# Altium PCB Arm.PcbDoc (part 1 of 2) (continued)
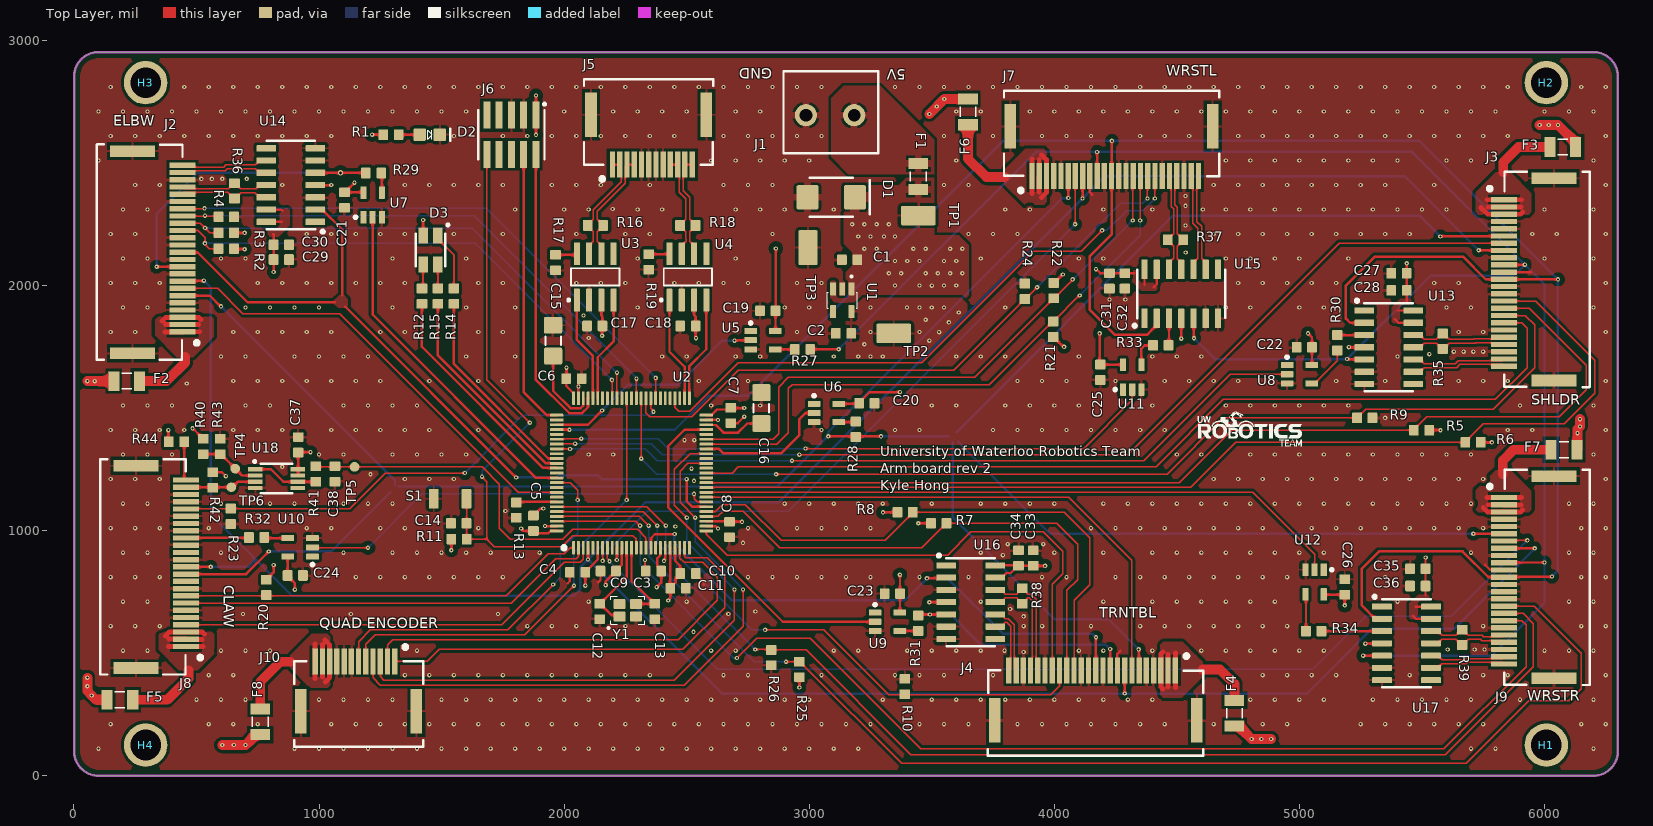
[diagram p0: Top Layer view]
## Footprints (in the part's own frame and the unit in brackets; to place one, negate y for a bottom-side part, rotate by r counter-clockwise, add the part's x,y. Pads: shape width x height; smd on the part's side, far side on the other; paste and mask are expansions set on the pad)
1935161 [mm] "TERM BLK 2POS SIDE ENTRY 5MM PCB"
  round 2.3 hole 1.325: 1(-2.5,0) 2(2.5,0)
  silkscreen extent -5.01,-4.57 4.83,3.94, body extent -5.01,-5.06 5.39,3.94, height 11.41
B3U-1000P [mm] "TACTILE SWITCH GREY"
  rrect15% 1x2 smd: 1(-1.7,0) 2(1.7,0)
  body extent -2,-1.25 2,1.25, height 1.6
CAP0603 [mm]
  rrect20% 1x1.1 smd: 1(-0.8,0) 2(0.8,0)
  body extent -0.87,-0.48 0.88,0.48, height 0.87
CAP1206 [mm] "Chip Capacitor, Body 3.2x1.6mm, Height 0.55mm, IPC Medium Density"
  rrect20% 1.75x1.9 smd: 1(-1.6,0) 2(1.6,0)
  silkscreen extent -0.45,-0.8 0.45,0.8, body extent -1.7,-0.9 1.7,0.9, height 0.88
FTSH-105-01-F-DV-K-P-TR [mil] "Samtec programming header 10 positions"
  rect 29x110 smd mask+2: 1(-100,-80) 2(-100,80) 3(-50,-80) 4(-50,80) 5(0,-80) 6(0,80) 7(50,-80) 8(50,80) 9(100,-80) 10(100,80)
  silkscreen extent -140,-130 135,100, body extent -125,-115 125,175, height 276
FUSE_1206 [mil]
  rect 45x80 smd mask+1: 1(-52.5,0) 2(52.5,0)
  silkscreen extent -20,-32 20,32, body extent -65,-32 65,32, height 32
INA332AIDGKR [mm] "Instrumentation amplifier, 8-VSSOP"
  rrect15% 0.45x1.5 smd mask+0.05: 1(-0.975,-2.2) 2(-0.325,-2.2) 3(0.325,-2.2) 4(0.975,-2.2) 5(0.975,2.2) 6(0.325,2.2) 7(-0.325,2.2) 8(-0.975,2.2)
  silkscreen extent -1.9,-2.41 1.52,1.6, body extent -1.55,-2.52 1.55,2.52, height 1.15
LED_0805_GREEN [mm] "SMD, 2-Leads, Body 2x1.25mm"
  rrect20% 1.3x1.3 smd: 1(-1.05,0) 2(1.05,0)
  silkscreen extent -0.2,-0.64 2.11,0.64, body extent -1,-0.62 1,0.63, height 1.12
LED_RGB [mm]
  rrect20% 1x1.7 smd: 1(-0.75,-1.5) 2(-0.75,1.5) 3(0.75,1.5) 4(0.75,-1.5)
  silkscreen extent -1.92,-2.72 1.53,1.7, body extent -1.4,-1.75 1.4,1.75, height 1.89
LT-S8_N [mm] "SOP, 8-Leads, Body 4.9x3.9mm, Pitch 1.27mm, IPC Medium Density"
  rrect20% 2.375x0.625 smd: 1(-2.4,1.905) 2(-2.4,0.635) 3(-2.4,-0.635) 4(-2.4,-1.905) 5(2.4,-1.905) 6(2.4,-0.635) 7(2.4,0.635) 8(2.4,1.905)
  silkscreen extent -2.52,-2.5 0.9,2.88, body extent -2.91,-2.4 2.87,2.5, height 1.45
MAX3491CSD+T [mil] "RS-422/485 Transceiver footprint (14-SOIC)"
  rrect15% 80x25 smd: 1(-100,150) 2(-100,100) 3(-100,50) 4(-100,0) 5(-100,-50) 6(-100,-100) 7(-100,-150) 8(100,-150) 9(100,-100) 10(100,-50) 11(100,0) 12(100,50) 13(100,100) 14(100,150)
  silkscreen extent -135,-180 98,195, body extent -120,-173 117,173, height 67
MOLEX-5031481290 [mm] "Molex 5024940670 12 pin 1.5 mm pitch SMD RA connector"
  rect 1.2x4.65 smd: 0(-5.98,-2.587) 0(5.98,-2.587)
  rect 0.55x2.7 smd: 1(3.75,2.588) 2(3,2.588) 3(2.25,2.588) 4(1.5,2.588) 5(0.75,2.588) 6(0,2.588) 7(-0.75,2.588) 8(-1.5,2.588) 9(-2.25,2.588) 10(-3,2.588) 11(-3.75,2.588) 12(-4.5,2.588)
  silkscreen extent -6.68,-6.28 6.7,4.26, body extent -6.65,-6.15 6.65,3.4, height 9.21
MOLEX-5031482490 [mm] "Molex 5031482490 24 pin 1.5 mm pitch SMD RA connector"
  rect 1.2x4.65 smd mask+0.05: 0(-10.48,-2.588) 0(10.48,-2.588)
  rect 0.55x2.7 smd mask+0.05: 1(8.25,2.588) 2(7.5,2.588) 3(6.75,2.588) 4(6,2.588) 5(5.25,2.588) 6(4.5,2.588) 7(3.75,2.588) 8(3,2.588) 9(2.25,2.588) 10(1.5,2.588) 11(0.75,2.588) 12(0,2.588) 13(-0.75,2.588) 14(-1.5,2.588) 15(-2.25,2.588) 16(-3,2.588) 17(-3.75,2.588) 18(-4.5,2.588) 19(-5.25,2.588) 20(-6,2.588) 21(-6.75,2.588) 22(-7.5,2.588) 23(-8.25,2.588) 24(-9,2.588)
  silkscreen extent -11.18,-6.28 11.15,4.26, body extent -11.15,-6.28 11.15,3.27, height 9.21
MOUNTING_HOLE_3mm#1 [mm] "3mm Hole"
  round 4.5 hole 3.2 mask+0.3: 0(-52.411,8.068)
MOUNTING_HOLE_3mm#2 [mm] "3mm Hole"
  round 4.5 hole 3.2 mask+0.3: 0(-57.411,11.718)
MOUNTING_HOLE_3mm#3 [mm] "3mm Hole"
  round 4.5 hole 3.2 mask+0.3: 0(0.011,-0.007)
MOUNTING_HOLE_3mm#4 [mm] "3mm Hole"
  round 4.5 hole 3.2 mask+0.3: 0(-6.026,-3.79)
RESC0603 [mm] "Chip Resistor, Body 1.6x0.8mm, IPC Medium Density"
  rrect15% 1x1.1 smd: 1(0,0) 2(1.6,0)
  body extent 0,-0.4 1.6,0.4, height 0.46
S1751-46R [mm] "SMD LOOP TESTPOINT"
  rrect15% 3.6x2 smd: 1(0,0)
  body extent -1.63,-0.85 1.62,0.8, height 2.01
SMBJ5.0A [mm] "9.2V Clamp 65.3A Ipp Tvs Diode Surface Mount SMB (DO-214AA)"
  rrect15% 2.3x2.5 smd: 1(-2.45,0) 2(2.45,0)
  silkscreen extent -4,-2.03 2.25,2.03, body extent -2.7,-1.8 2.7,1.8, height 2.27
SN74LV1T34DBVR [mm] "SOT-23-5, Unidirectional level shifter"
  rrect15% 1.3x0.63 smd mask+0.05: 1(-1.279,0.95) 2(-1.279,0) 3(-1.279,-0.95) 4(1.279,-0.95) 5(1.279,0.95)
  silkscreen extent -1.42,1.64 -1.14,1.92, body extent -1.4,-1.45 1.4,1.45, height 1.2
SOIC254P1016X440-4N [mm]
  rrect15% 1.25x1 smd: 1(-0.85,-0.65) 2(0.85,-0.65) 3(0.85,0.65) 4(-0.85,0.65)
  silkscreen extent -2.11,-1.93 1.75,1.47, body extent -1.24,-0.85 1.24,0.85, height 0.56
SOT95P285X140-5N [mm] "AP2112K-3.3TRG1 LDO"
  rrect15% 1.35x0.6 smd: 1(-1.185,0.95) 2(-1.185,0) 3(-1.185,-0.95) 4(1.185,-0.95) 5(1.185,0.95)
  silkscreen extent -2.57,-1.55 0.85,1.55, body extent -1.4,-1.5 1.4,1.5, height 1.4
STM32F446VET6 [mm] "LQFP100"
  rrect50% 1.4x0.3 smd mask+0.051: 1(-7.75,6) 2(-7.75,5.5) 3(-7.75,5) 4(-7.75,4.5) 5(-7.75,4) 6(-7.75,3.5) 7(-7.75,3) 8(-7.75,2.5) 9(-7.75,2) 10(-7.75,1.5) 11(-7.75,1) 12(-7.75,0.5) 13(-7.75,0) 14(-7.75,-0.5) 15(-7.75,-1) 16(-7.75,-1.5) 17(-7.75,-2) 18(-7.75,-2.5) 19(-7.75,-3) 20(-7.75,-3.5) 21(-7.75,-4) 22(-7.75,-4.5) 23(-7.75,-5) 24(-7.75,-5.5) 25(-7.75,-6) 51(7.75,-6) 52(7.75,-5.5) 53(7.75,-5) 54(7.75,-4.5) 55(7.75,-4) 56(7.75,-3.5) 57(7.75,-3) 58(7.75,-2.5) 59(7.75,-2) 60(7.75,-1.5) 61(7.75,-1) 62(7.75,-0.5) 63(7.75,0) 64(7.75,0.5) 65(7.75,1) 66(7.75,1.5) 67(7.75,2) 68(7.75,2.5) 69(7.75,3) 70(7.75,3.5) 71(7.75,4) 72(7.75,4.5) 73(7.75,5) 74(7.75,5.5) 75(7.75,6)
  rrect50% 0.3x1.4 smd mask+0.051: 26(-6,-7.75) 27(-5.5,-7.75) 28(-5,-7.75) 29(-4.5,-7.75) 30(-4,-7.75) 31(-3.5,-7.75) 32(-3,-7.75) 33(-2.5,-7.75) 34(-2,-7.75) 35(-1.5,-7.75) 36(-1,-7.75) 37(-0.5,-7.75) 38(0,-7.75) 39(0.5,-7.75) 40(1,-7.75) 41(1.5,-7.75) 42(2,-7.75) 43(2.5,-7.75) 44(3,-7.75) 45(3.5,-7.75) 46(4,-7.75) 47(4.5,-7.75) 48(5,-7.75) 49(5.5,-7.75) 50(6,-7.75) 76(6,7.75) 77(5.5,7.75) 78(5,7.75) 79(4.5,7.75) 80(4,7.75) 81(3.5,7.75) 82(3,7.75) 83(2.5,7.75) 84(2,7.75) 85(1.5,7.75) 86(1,7.75) 87(0.5,7.75) 88(0,7.75) 89(-0.5,7.75) 90(-1,7.75) 91(-1.5,7.75) 92(-2,7.75) 93(-2.5,7.75) 94(-3,7.75) 95(-3.5,7.75) 96(-4,7.75) 97(-4.5,7.75) 98(-5,7.75) 99(-5.5,7.75) 100(-6,7.75)
  silkscreen extent -7.88,6.87 -7.62,7.13, body extent -8,-8 8,8, height 1.6
TESTPOINT_CIRCLE_1MM [mm]
  round 1 smd: 1(0,0)

## Part data
C1 C2 C11 C14 C27 C29 C31 C33 C35: "CAP CER 1UF 25V X5R 0603", Manufacturer 1=Samsung, Manufacturer Part Number 1=CL10A105KA8NNNC, Package/Footprint=0603, Supplier Part Number 1=1276-1102-1-ND, Mounting Type=SMD, Supplier 1=Digi-Key
C3 C4 C5 C6 C7 C8 C9 C10 C17 C18 C19 C20 C21 C22 C23 C24 C25 C26 C28 C30 C32 C34 C36 C37 C38: "CAP CER 0.1UF 50V X7R 0603", Dielectric=X7R, Manufacturer 1=Yageo, Manufacturer Part Number 1=CC0603KRX7R9BB104, Package/Footprint=0603, Supplier Part Number 1=311-1344-1-ND, Voltage Rating=50V, Mounting Type=SMD, Supplier 1=Digi-Key
C12 C13: "CAP CER 14PF 50V C0G/NP0 0603", Dielectric=C0G, Manufacturer 1=Samsung, Manufacturer Part Number 1=CL10C140JB8NNNC, Package/Footprint=0603, Supplier Part Number 1=1276-2187-1-ND, Voltage Rating=50V, Mounting Type=SMD, Supplier 1=Digi-Key
C15 C16: "CAP CER 4.7UF 50V X7R 1206", Dielectric=X7R, Manufacturer 1=Murata, Manufacturer Part Number 1=GRM31CR71H475KA12L, Package/Footprint=1206, Supplier Part Number 1=490-6521-1-ND, Mounting Type=SMD, Supplier 1=Digi-Key
D1: "TVS DIODE 5V 9.2V SMB", Manufacturer 1=Bourns, Manufacturer Part Number 1=SMBJ5.0A, Package/Footprint=SMB, Supplier Part Number 1=SMBJ5.0ABCT-ND, Mounting Type=SMD, Supplier 1=Digi-Key
D2: "LED GREEN DIFFUSED 0805 SMD", Forward Voltage Drop=2.2V, Manufacturer 1=OSRAM, Manufacturer Part Number 1="LG R971-KN-1", Package/Footprint=0805, Supplier Part Number 1=475-1410-1-ND, Mounting Type=SMD, Supplier 1=Digi-Key
D3: "LED RGB DIFFUSED 4PLCC SMD", Color=Blue,Green,Red, Forward Voltage=3.1V, Lens Color=White, Manufacturer 1=Broadcom, Manufacturer Part Number 1=ASMB-MTB1-0A3A2, Package/Footprint=4-PLCC, Supplier Part Number 1=516-3280-1-ND, Test Current=20mA, Dominant Wavelength=470nm, Lens Style=Round, Lens Transparency=Diffused, Luminous Intensity=350mcd, Mounting Type=SMD, Number of Pins=4, Supplier 1=Digi-Key, Viewing Angle=115¡Æ
F1: "FUSE BOARD MNT 3A 32VAC/VDC 1206", Current Rating=3A, Manufacturer 1=Littelfuse, Manufacturer Part Number 1=0466003.NR, Package/Footprint=1206, Supplier Part Number 1=F1458CT-ND, Mounting Type=SMD, Supplier 1=Digi-Key
F2 F3 F4 F6 F7 F8: "FUSE BOARD MNT 125MA 125VAC/VDC", Current Rating=125mA, Manufacturer 1=Littelfuse, Manufacturer Part Number 1=0466.125NR, Package/Footprint=1206, Supplier Part Number 1=F1450CT-ND, Voltage Rating (DC)=125V, Mounting Type=SMD, Supplier 1=Digi-Key
F5: "FUSE BOARD MOUNT 1A 125VAC 63VDC", Current Rating=1A, Manufacturer 1="Bel Fuse Inc.", Manufacturer Part Number 1="C1Q 1", Package/Footprint=1206, Supplier Part Number 1=507-1077-1-ND, Mounting Type=SMD, Supplier 1=Digi-Key
J1: "TERM BLK 2POS SIDE ENTRY 5MM", Current=18A, Manufacturer 1="Phoenix Contact", Manufacturer Part Number 1=1935161, Max Current Rating=16A, Package/Footprint=SMD, Supplier Part Number 1=277-1667-ND, Voltage=300V, Mounting Type=TH, Supplier 1=Digi-Key
J2 J3 J4 J7 J8 J9: "CONN HEADER SMD RIGHT ANGLE 1.5MM PITCH", Current Rating=2A, Manufacturer 1=Molex, Manufacturer Part Number 1=5031482490, Package/Footprint=SMD, Supplier Part Number 1=WM20820CT-ND, Voltage Rating=100V, Family=CLIK-Mate, Mounting Type=SMD, Orientation="Right Angle", Pitch=1.5mm, Supplier 1=Digi-Key
J5 J10: "CONN HEADER SMD RIGHT ANGLE 1.5MM PITCH", Current Rating=1A, Manufacturer 1=Molex, Manufacturer Part Number 1=5031481290, Package/Footprint=SMD, Supplier Part Number 1=WM14476CT-ND, Voltage Rating=100V, Mounting Type=SMD, Orientation="Right Angle", Pitch=1.5mm, Supplier 1=Digi-Key
J6: "CONN HEADER SMD 10POS 1.27MM", Manufacturer 1=Samtec, Manufacturer Part Number 1=FTSH-105-01-F-DV-K, Package/Footprint=SMD, Supplier Part Number 1=SAM8796-ND, Mounting Type=SMD, Pitch=1.27mm, Supplier 1=Digi-Key
R1 R14 R16 R18 R35 R36 R37 R38 R39: library part RES_120¥Ø_0603_5%_HP, "RES 120 OHM 5% 1/4W 0603", Manufacturer 1=Rohm, Manufacturer Part Number 1=ESR03EZPJ121, Package/Footprint=0603, Supplier Part Number 1=RHM120DCT-ND, Mounting Type=SMD, Supplier 1=Digi-Key
R2 R3 R4 R5 R6 R7 R8 R9 R10 R11 R13 R20 R21 R22 R23 R24 R25 R26: library part RES_10k¥Ø_0603_5%, "RES 10K OHM 5% 1/10W 0603", Manufacturer 1=Yageo, Manufacturer Part Number 1=RC0603JR-0710KL, Package/Footprint=0603, Supplier Part Number 1=311-10KGRCT-ND, Mounting Type=SMD, Supplier 1=Digi-Key
R12 R15: library part RES_20¥Ø_0603_5%, "RES 20 OHM 5% 1/10W 0603", Manufacturer 1=Yageo, Manufacturer Part Number 1=RC0603JR-0720RL, Package/Footprint=0603, Supplier Part Number 1=311-20GRCT-ND, Mounting Type=SMD, Supplier 1=Digi-Key
R17 R19 R44: library part RES_0¥Ø_0603, "RES 0 OHM JUMPER 1/10W 0603", Manufacturer 1=Yageo, Manufacturer Part Number 1=RC0603JR-070RL, Package/Footprint=0603, Supplier Part Number 1=311-0.0GRCT-ND, Mounting Type=SMD, Supplier 1=Digi-Key
R27 R28 R29 R30 R31 R32 R33 R34: library part RES_33¥Ø_0603_1%, "RES 33 OHM 1% 1/10W 0603", Manufacturer 1=Vishay, Manufacturer Part Number 1=CRCW060333R0FKEA, Package/Footprint=0603, Supplier Part Number 1=541-33.0HCT-ND, Mounting Type=SMD, Supplier 1=Digi-Key
R40: library part RES_1.1k¥Ø_0603_1%, "RES 1.1K OHM 1% 1/10W 0603", Manufacturer 1=Yageo, Manufacturer Part Number 1=RC0603FR-071K1L, Package/Footprint=0603, Supplier Part Number 1=311-1.10KHRCT-ND, Mounting Type=SMD, Supplier 1=Digi-Key
R41 R43: library part RES_14.3k¥Ø_0603_1%, "RES 14.3K OHM 1% 1/10W 0603", Manufacturer 1=Yageo, Manufacturer Part Number 1=RC0603FR-0714K3L, Package/Footprint=0603, Supplier Part Number 1=311-14.3KHRCT-ND, Mounting Type=SMD, Supplier 1=Digi-Key
R42: library part RES_2.2k¥Ø_0603_1%, "RES 2.2K OHM 1% 1/10W 0603", Manufacturer 1=Yageo, Manufacturer Part Number 1=RC0603FR-072K2L, Package/Footprint=0603, Supplier Part Number 1=311-2.20KHRCT-ND, Mounting Type=SMD, Supplier 1=Digi-Key
S1: "SWITCH TACTILE SPST-NO 0.05A 12V", Manufacturer 1="Omron Electronics Inc-EMC Div", Manufacturer Part Number 1=B3U-1000P, Package/Footprint=SMD, Supplier Part Number 1=SW1020CT-ND, Mounting Type=SMD, Supplier 1=Digi-Key
TP1 TP2 TP3: "TESTPOINT SMD", Manufacturer 1=Harwin, Manufacturer Part Number 1=S1751-46R, Package/Footprint=SMD, Supplier Part Number 1=952-1478-1-ND, Mounting Type=SMD, Supplier 1=Digi-Key
TP4 TP5 TP6: "TESTPOINT 1MM CIRCLE"
U1: "IC REG LINEAR 3.3V 600MA SOT25", Input Voltage (Max)=6V, LCSC Part #=C51118, Manufacturer 1="Diodes Incorporated", Manufacturer Part Number 1=AP2112K-3.3TRG1, Operating Temperature="-40¡ÆC - 85¡ÆC", Output Current=600mA, Output Voltage (Fixed)=3.3V, Package/Footprint=SOT-25, Supplier Part Number 1=AP2112K-3.3TRG1DICT-ND, Voltage Dropout (Max)=0.4V, Mounting Type=SMD, Supplier 1=Digi-Key
U2: "IC MCU 32BIT 512KB FLASH 100LQFP", Manufacturer 1=STMicroelectronics, Manufacturer Part Number 1=STM32F446VET6TR, Max Supply Current=115mA, Package Code=QFP, Package/Footprint=100-LQFP, Power Supplies=1.8/3.3V, Supplier Part Number 1=497-19359-1-ND, Mounting Type=SMD, Number of Pins=100, Qualification Status="Not Qualified", Speed=180RPM, Supplier 1=Digi-Key, Surface Mount=Yes, Terminal Pitch=0.5mm
U3 U4: "IC TXRX CAN 4MBPS 8SO", LCSC Part #=C117076, Manufacturer 1="Linear Technologies", Manufacturer Part Number 1=LTC2875IS8#PBF, Package/Footprint=8-SOIC, Supplier Part Number 1=LTC2875IS8#PBF-ND, Mounting Type=SMD, Supplier 1=Digi-Key
U5 U6 U7 U8 U9 U10 U11 U12: "IC BUF NON-INVERT 5.5V SOT23-5", LCSC Part #=C100024, Manufacturer 1="Texas Instruments", Manufacturer Part Number 1=SN74LV1T34DBVR, Package/Footprint=SOT-23-5, Supplier Part Number 1=296-37176-1-ND, Mounting Type=SMD, Supplier 1=Digi-Key
U13 U14 U15 U16 U17: "IC RS485 TRANSCEIVER FULL 1/1 14SOIC", Manufacturer 1=Maxim, Manufacturer Part Number 1=MAX3491CSD+T, Package/Footprint=14-SOIC, Supplier Part Number 1=MAX3491CSD+CT-ND, Mounting Type=SMD, Supplier 1=Digi-Key
U18: "IC INSTRUMENTATION AMP 1 CIRCUIT 8VSSOP", Manufacturer 1="Texas Instruments", Package/Footprint=8-VSSOP, Supplier Part Number 1=296-41265-1-ND, Manufacturer Part Number 1=INA332AIDGKR, Mounting Type=SMD, Supplier 1=Digi-Key
Y1: "CRYSTAL 25.0000MHZ 12PF SMD", Frequency=25MHz, Load Capacitance=12pF, Manufacturer 1="Kyocera AVX", Manufacturer Part Number 1=CX2520DB25000H0FLJC1, Package/Footprint=SMD, Supplier Part Number 1=1253-1724-1-ND, Mounting Type=SMD, Supplier 1=Digi-Key

## Via types
v1: diameter 17.72, hole 7.87, Top Layer to Bottom Layer, tented both sides, 1063 vias
v2: diameter 21, hole 12, Top Layer to Bottom Layer, tented both sides, 1 vias

## Nets (pads, with @x,y where several pads share a name; then routed paths per layer and width w, separated by ;. In a path a pad name is that pad's centre, name@x,y a point inside that pad or via, vN(x,y) a via of type N, cw(c..) or ccw(c..) an arc to the next point about the centre after c; other vN are vias at no path point)
3V3: C2.2 C3.1 C4.1 C5.1 C6.1 C7.1 C8.1 C9.1 C10.2 C11.2 C17.1 C18.1 C27.2 C28.2 C29.2 C30.2 C31.2 C32.2 C33.2 C34.2 C35.2 C36.2 C37.2 D3.4 J6.1 R1.2 R2.2 R3.2 R5.2 R6.2 R7.2 R8.2 R11.1 R20.2 R21.2 R22.2 R25.2 R40.2 R44.1 TP2.1 U1.5 U2.6 U2.11 U2.19 U2.21 U2.22 U2.28 U2.50 U2.75 U2.100 U3.3 U4.3 U13.4 U13.13 U13.14 U14.4 U14.13 U14.14 U15.4 U15.13 U15.14 U16.4 U16.13 U16.14 U17.4 U17.13 U17.14 U18.7 U18.8 | length 4796.3
  Top Layer w10: v1(385,1410) 385,1364 R44.1@387,1362 ; v1(483.52,1417.43) 484.56,1417.43 R40.2@527,1374.99 ; R2.2@652.99,2150 654.85,2148.14 v1(696.78,2148.14) ; R3.2@652.99,2215 v1(696.78,2215.02) ; R20.2@785,800 786.97,800 801.65,814.69 801.65,816.65 815,830 v1(815,860) ; U14.14@785,2260 848,2260 ; U14.13@785,2310 846,2310 850.5,2305.5 ; 814,2210 814.5,2209.5 C30.2@814.5,2166 ; v1(815,2055) C30.2@815,2168 ; U18.7@913.61,1224.8 915,1226.18 C37.2@915,1318.5 916.5,1320 v1(965,1320) ; U14.4@985,2410 v1(1050,2410) ; v1(1216.57,2615.47) R1.2@1261.57,2615.47 ; v1(1425,2267.14) 1425,2204.53 D3.4@1425.47,2204.06 ; v1(1540,920) R11.1@1540,965 ; v1(1824.65,1008.47) 1834.61,998.5 C5.1@1875,998.5 1883.77,989.74 1935.61,989.74 1944.65,998.78 U2.100@1969.88,998.78 ; v1(1885,2775) J6.1@1885,2695 1885,2615.11 v1(1885.18,2614.93) ; v1(2010,1665) 2010,1621.5 C6.1@2008.5,1620 2008.5,1590.61 2038.78,1560.34 U2.75@2038.78,1540.12 ; v1(2086.5,775.64) C4.1@2086.5,830 ; C4.1@2086.5,831.5 2137.2,882.2 U2.6@2137.2,929.88 ; U3.3@2152,1940.51 2152,1878 2156.5,1873.5 C17.1@2156.5,1835 2155,1833.5 v1(2155,1795) ; v1(2169.23,777.31) 2169.23,792.73 C9.1@2211.5,835 2211.5,836.97 2235.63,861.1 U2.11@2235.63,929.88 ; v1(2377.58,769.19) 2396.5,788.1 C3.1@2396.5,835 2380,851.5 2380,886.89 2393.11,900 U2.19@2393.11,929.88 ; v1(2425,715) 2425,717.09 2433.5,725.59 C11.2@2433.5,765 2432.48,766.02 U2.21@2432.48,929.88 ; C11.2@2432.56,766.02 2455,788.46 2455,804.53 2473.5,823.03 C10.2@2473.5,825 2473.5,856.5 2452.94,877.06 2452.94,929.1 U2.22@2452.17,929.88 ; U4.3@2530,1940.51 2530,1880 2536.5,1873.5 C18.1@2536.5,1835 2536.5,1786.62 v1(2537.89,1785.23) ; U2.28@2580.12,1038.15 2668.35,1038.15 C8.1@2670,1036.5 ; U2.50@2580.12,1471.22 2601.22,1471.22 2624.15,1494.15 2670.69,1494.15 2678.03,1501.5 C7.1@2680,1501.5 2681.5,1500 v1(2735,1500) ; C8.1@2675,1036.5 2724.92,1036.5 v1(2725.64,1035.77) ; v1(2960,360) R25.2@2960,402.01 ; v1(3301.14,1074.72) 3359.72,1074.72 R8.2@3360,1075 ; v1(3445,1030) R7.2@3497.01,1030 ; v1(3490.19,707.83) 3490.37,708 U16.4@3559,708 ; U16.13@3759,808 3786.5,808 3805.5,827 3822.53,827 3852.5,856.98 3852.5,858 U16.14@3759,858 ; C34.2@3854,856.5 C33.2@3914,856.5 3914.21,856.3 v1(3962.42,856.3) ; R21.2@3995,1790 3996.97,1790 4035.49,1751.48 4038.52,1751.48 v1(4040,1750) ; R22.2@3997.5,2010.49 3999.47,2010.49 4033.98,2045 v1(4035,2045) ; v1(4170,2067) 4170.97,2067 4187.36,2050.62 C31.2@4225,2050.62 C32.2@4288,2050.62 4325.38,2050.62 4327,2049 ; 4368,2003 U15.14@4368,2066 ; 4406.5,1993.5 4418,2005 U15.13@4418,2066 U15.13@4416.5,2067.5 ; v1(4518,1783) U15.4@4518,1866 ; v1(5201.65,1748.67) 5202.32,1748 U13.4@5265,1748 ; v1(5269,539) 5269.5,539.5 5336.5,539.5 U17.4@5337,540 ; 5389.5,1862.5 5404,1848 U13.13@5465,1848 ; 5402,1898 U13.14@5465,1898 ; 5437,1936 5437.62,1936.62 C28.2@5437.62,1980 C27.2@5437.62,2050 5437.62,2089.68 v1(5438.17,2090.23) ; 5464,652 5476,640 U17.13@5537,640 ; 5474,690 U17.14@5537,690 U17.14@5536.5,690.5 ; 5514.5,736.5 C36.2@5514.5,774 C35.2@5514.5,844 5514.5,889.45 v1(5515.27,890.22) ; R5.2@5530,1410 5574.99,1410 v1(5575.5,1409.49) ; R6.2@5740,1360 v1(5785,1360)
  other v1: 3200,1710.3 3250,1710.3 3300,1710.3 3225,1760.3 3490,1775 3250,1810.3 3450,1810.3 3530,1810 3570,1850 3475,1860.3 3610,1890 3250,1910.3 3398.86,1910.3 3450,1910.3 3500,1910.3 3550,1910.3
5V: F1.1 J1.1
5V_CLAW: F5.1 J8.1 J8.2 J8.3 | length 743.1
  Top Layer w20: 372.57,569.43 389.38,586.25 J8.3@457,586.25 523.88,586.25 532.63,577.5 ; 385.84,527 456.8,527 J8.1@457,527.2 527.33,527.2 ; 388.13,557 456.73,557 J8.2@457,556.73 457.23,556.5 522.13,556.5
  Top Layer w40: F5.1@240,310 381,310 467.13,396.13 467.13,430
5V_ELBW: F2.1 J2.1 J2.2 J2.3 | length 683.8
  Top Layer w20: 360,1855 375.25,1870.25 J2.3@442.87,1870.25 509.75,1870.25 518.5,1861.5 ; 371.71,1811 442.67,1811 J2.1@442.87,1811.2 513.2,1811.2 ; 374,1841 442.6,1841 J2.2@442.87,1840.73 443.1,1840.5 508,1840.5
  Top Layer w40: F2.1@267.5,1610 378,1610 453,1685 453,1708
5V_FUSED: C1.2 C19.2 C20.2 C21.2 C22.2 C23.2 C24.2 C25.2 C26.2 D1.1 F1.2 F2.2 F3.2 F4.2 F5.2 F6.2 F7.2 F8.2 TP1.1 U1.1 U1.3 U5.5 U6.5 U7.5 U8.5 U9.5 U10.5 U11.5 U12.5 | length 18920.2
  Top Layer w10: U10.5@872.65,894.3 871.5,893.16 C24.2@871.5,817 871.5,815.03 901.48,785.06 v1(901.48,759.09) ; C21.2@1104,2380.5 C21.2@1105.97,2380.5 ; v1(1145,2420) 1145,2419.53 C21.2@1105.97,2380.5 ; U7.5@1181.6,2379.35 1180.46,2380.5 C21.2@1105.97,2380.5 ; U5.5@2861.71,1814.4 2862.5,1815.19 C19.2@2862.5,1897 2864,1898.5 v1(2864,2151) ; U6.5@3125.35,1517.7 C20.2@3199.71,1517.7 ; C20.2@3203.5,1520 3203.5,1521.97 3218.19,1536.65 3218.56,1536.65 3224.42,1542.51 3246.9,1565 v1(3370,1565) ; U9.5@3369.35,665.4 3370.5,666.54 C23.2@3370.5,743 3370.5,819.5 v1(3370,820) ; v1(4185,1805) 4185,1680.5 C25.2@4188,1677.5 4279.46,1677.5 U11.5@4280.6,1676.35 ; v1(5035,1805) 5051.5,1788.5 C22.2@5051.5,1748 5051.5,1676.54 U8.5@5050.35,1675.4 ; U12.5@5099.4,739.65 5100.54,738.5 C26.2@5185,738.5 v1(5185,695)
  Top Layer w40: v1(55,400) v1(55,365) 55,345 v1(72.5,327.5) 90,310 F5.2@135,310 ; v1(55,1610) v1(85,1610) F2.2@162.5,1610 ; v1(605,125) v1(652.5,125) v1(700,125) 742.5,167.5 F8.2@760,167.5 ; v1(3490,2700) v1(3551,2761) F6.2@3648,2761 ; F4.2@4735,202.5 4752.5,202.5 v1(4805,150) v1(4885,150) ; v1(5980,2655) v1(6055,2655) 6127.5,2582.5 F3.2@6127.5,2565 ; F7.2@6132.5,1330 6135,1332.5 6135,1415 v1(6145,1425) v1(6145,1455)
  3V3 w20: 790,140 901.48,251.48 v1(901.48,759.09) ; v1(1145,2420) 1145,2525 ; v1(3370,820) 3400,850 3400,1535 v1(3370,1565) 3370,1975 ; v1(3600,2000) 3795,1805 v1(4185,1805) 4230,1850 4990,1850 v1(5035,1805) ; v1(5185,695) 5377.5,502.5
  3V3 w65: 3320,2240 3320,2510 3570,2760 5825,2760 5945,2640 6065,2640 6145,2560 6145,1270 5377.5,502.5 5030,155 4775,155
  3V3 w70: 790,140 530,140 385,285 135,285 70,350 70,400 70,1610 70,2325 270,2525 1145,2525 2383,2525 2757,2151 3158.39,2151
  other v1: 4845,150 6135,1397.5 3500.29,1999.53 3350,2000 3450,2000 3550,2000 3325,2050 3375,2050 3475,2050 3525,2050 3575,2050 3625,2050 3350,2100 3400,2100 3450,2100 3550,2100 3600,2100 3225,2150 3275,2150 3425,2150 3475,2150 3575,2150 3625,2150 3200,2200 3250,2200 3305,2200 3350,2200 3175,2250 3225,2250 3275,2250 3325,2250 6017.5,2655 3520.5,2730.5
5V_QUAD: F8.1 J10.10 J10.11 J10.12 | length 729.3
  Top Layer w20: 984.07,537.9 984.07,466.94 J10.12@984.27,466.74 984.27,396.41 ; 1013.57,401.61 1013.57,466.51 J10.11@1013.8,466.74 1014.07,467.01 1014.07,535.61 ; 1023.84,553.84 1043.32,534.36 J10.10@1043.32,466.74 1043.32,399.86 1025.73,382.27
  Top Layer w40: F8.1@760,272.5 760,383 842.27,465.27 882,465.27
5V_SHLDR: F3.1 J3.1 J3.2 J3.3 | length 717.3
  Top Layer w20: 5741.02,2318.02 5768.12,2290.91 J3.3@5835,2290.91 5902.62,2290.91 5911.37,2299.67 ; 5764.67,2349.97 J3.1@5835,2349.97 ; 5769.87,2320.67 J3.2@5834.77,2320.67 ; J3.1@5835.2,2350.17 5906.16,2350.17 ; J3.2@5835.27,2320.17 5903.87,2320.17
  Top Layer w40: 5831.37,2462.17 5831.37,2502.37 5894,2565 F3.1@6022.5,2565
5V_TRNTBL: F4.1 J4.1 J4.2 J4.3 | length 655.8
  Top Layer w20: 4443.5,353.5 4434.75,362.25 J4.3@4434.75,429.87 4434.75,496.75 4443.5,505.5 ; 4464,361 4464,429.6 J4.2@4464.27,429.87 4464.5,430.1 4464.5,495 ; 4493.8,500.2 J4.1@4493.8,429.87 4494,429.67 4494,358.71
  Top Layer w40: 4606,433.5 4676.5,433.5 4735,375 F4.1@4735,307.5
5V_WRSTL: F6.1 J7.1 J7.2 J7.3 | length 784
  Top Layer w20: J7.1@3908.67,2446.2 3908.67,2517.16 ; 3908.87,2375.67 J7.1@3908.87,2446 ; 3938.17,2380.87 J7.2@3938.17,2445.77 ; J7.2@3938.67,2446.27 3938.67,2514.87 ; 3947.77,2533.77 3967.92,2513.62 J7.3@3967.92,2446 3967.92,2379.12 3948.4,2359.6
  Top Layer w40: F6.1@3648,2656 3648,2517 3722.63,2442.37 3796.67,2442.37
5V_WRSTR: F7.1 J9.1 J9.2 J9.3 | length 718.2
  Top Layer w20: 5750,1094 5768.25,1075.75 J9.3@5835.13,1075.75 5902.75,1075.75 5911.5,1084.5 ; 5764.8,1134.8 J9.1@5835.13,1134.8 ; 5770,1105.5 J9.2@5834.9,1105.5 ; J9.1@5835.33,1135 5906.29,1135 ; J9.2@5835.4,1105 5904,1105
  Top Layer w40: 5830,1231 5830,1286 5874,1330 F7.1@6027.5,1330
BISS_ELBW_CLK_N: J2.23 U14.10 | length 356.1
  Top Layer w6: J2.23@442.87,2460.8 449.93,2467.86 616.92,2467.86 626.35,2477.3 740.2,2477.3 757.5,2460 U14.10@785,2460
BISS_ELBW_CLK_P: J2.24 U14.9 | length 356.1
  Top Layer w6: J2.24@442.87,2490.33 449.93,2483.27 610.54,2483.27 619.97,2492.7 740.2,2492.7 757.5,2510 U14.9@785,2510
BISS_ELBW_DATA_N: J2.21 R36.1 U14.11 | length 370.8
  Top Layer w6: J2.21@442.87,2401.75 449.62,2395 630.04,2395 653.03,2417.99 656.97,2417.99 673.65,2401.31 680.76,2394.2 729.7,2394.2 741.7,2394.2 757.5,2410 U14.11@785,2410
BISS_ELBW_DATA_P: J2.20 R36.2 U14.12 | length 373
  Top Layer w6: J2.20@442.87,2372.22 450.24,2379.59 628.44,2379.59 653.03,2355 656.97,2355 680.76,2378.79 719.25,2378.79 738.71,2378.79 757.5,2360 U14.12@785,2360
BISS_SHLDR_CLK_N: J3.23 U13.10 | length 385.3
  Top Layer w6: U13.10@5465,1698 5492.5,1698 5502,1688.5 5509.8,1680.7 5636,1680.7 5648.6,1693.3 5827.94,1693.3 J3.23@5835,1700.36
BISS_SHLDR_CLK_P: J3.24 U13.9 | length 385.3
  Top Layer w6: U13.9@5465,1648 5492.5,1648 5509.8,1665.3 5642.38,1665.3 5654.98,1677.9 5827.94,1677.9 J3.24@5835,1670.84
BISS_SHLDR_DATA_N: J3.21 R35.1 U13.11 | length 400.3
  Top Layer w6: U13.11@5465,1748 5492.5,1748 5509.29,1764.79 5535.59,1764.79 5559.24,1764.79 5583.03,1741 5586.97,1741 5610.76,1764.79 5716.86,1764.79 5718.55,1766.48 5827.94,1766.48 J3.21@5835,1759.42
BISS_SHLDR_DATA_P: J3.20 R35.2 U13.12 | length 400.7
  Top Layer w6: U13.12@5465,1798 5492.5,1798 5510.3,1780.2 5541.97,1780.2 5559.24,1780.2 5583.03,1803.99 5586.97,1803.99 5603.65,1787.31 5610.76,1780.2 5710.48,1780.2 5712.16,1781.88 5827.94,1781.88 J3.20@5835,1788.94
BISS_TRNTBL_CLK_N: J4.23 U16.10 | length 287
  Top Layer w6: U16.10@3759,658 3786.5,658 3796,648.5 3796,644.22 3799.51,640.7 3812.21,640.7 3837.14,615.78 3837.14,436.93 J4.23@3844.2,429.87
BISS_TRNTBL_CLK_P: J4.24 U16.9 | length 261.4
  Top Layer w6: U16.9@3759,608 3786.5,608 3796,617.5 3796,621.78 3799.51,625.3 3805.83,625.3 3821.73,609.4 3821.73,436.93 J4.24@3814.67,429.87
BISS_TRNTBL_DATA_N: J4.21 R38.1 U16.11 | length 476.5
  Top Layer w6: U16.11@3759,708 3786.5,708 3796,717.5 3796,721.78 3799.51,725.3 3821.45,725.3 3821.95,725.8 3846.83,725.8 3850.35,722.29 3850.35,718.69 3867.03,702.01 R38.1@3869,702.01 3870.97,702.01 3887.65,718.69 3887.65,722.29 3891.17,725.8 3897.54,725.8 3910.31,713.03 3910.31,436.93 J4.21@3903.25,429.87
BISS_TRNTBL_DATA_P: J4.20 R38.2 U16.12 | length 502
  Top Layer w6: U16.12@3759,758 3786.5,758 3796,748.5 3796,744.22 3799.51,740.7 3815.07,740.7 3815.57,741.21 3846.83,741.21 3850.35,744.72 3850.35,748.31 3867.03,765 R38.2@3869,765 3870.97,765 3887.65,748.31 3887.65,744.72 3891.17,741.21 3903.92,741.21 3925.72,719.41 3925.72,436.93 J4.20@3932.78,429.87
BISS_WRSTL_CLK_N: J7.23 U15.10 | length 398.3
  Top Layer w6: J7.23@4558.47,2446 4565.53,2438.94 4565.53,2254.24 4585.3,2234.47 4585.3,2110.8 4577.5,2103 4568,2093.5 U15.10@4568,2066
BISS_WRSTL_CLK_P: J7.24 U15.9 | length 398.3
  Top Layer w6: J7.24@4588,2446 4580.94,2438.94 4580.94,2260.62 4600.7,2240.86 4600.7,2110.8 4618,2093.5 U15.9@4618,2066
BISS_WRSTL_DATA_N: J7.21 R37.1 U15.11 | length 413.4
  Top Layer w6: J7.21@4499.42,2446 4492.36,2438.94 4492.36,2328.78 4502.2,2318.93 4502.2,2212.07 4525.99,2188.27 4525.99,2184.34 4502,2160.34 4502,2136.5 4502,2109.5 4518,2093.5 U15.11@4518,2066
BISS_WRSTL_DATA_P: J7.20 R37.2 U15.12 | length 414.3
  Top Layer w6: U15.12@4468,2066 4468,2093.5 4477.5,2103 4486.59,2112.09 4486.59,2142.88 4486.6,2160.74 4463,2184.34 4463,2188.27 4486.79,2212.07 4486.79,2312.55 4476.95,2322.4 4476.95,2438.94 J7.20@4469.89,2446
BISS_WRSTR_CLK_N: J9.23 U17.10 | length 310.7
  Top Layer w6: U17.10@5537,490 5564.5,490 5582.09,472.41 5675.35,472.41 5681.08,478.14 5828.07,478.14 J9.23@5835.13,485.2
BISS_WRSTR_CLK_P: J9.24 U17.9 | length 310.5
  Top Layer w6: U17.9@5537,440 5564.5,440 5581.5,457 5681.73,457 5687.46,462.73 5828.07,462.73 J9.24@5835.13,455.67
BISS_WRSTR_DATA_N: J9.21 R39.1 U17.11 | length 330
  Top Layer w6: U17.11@5537,540 5564.5,540 5581.3,556.8 5611.09,556.8 5638.24,556.8 5662.03,533.01 5665.97,533.01 5682.65,549.69 5689.76,556.8 5739.12,556.8 5744.61,551.31 5828.07,551.31 J9.21@5835.13,544.25
BISS_WRSTR_DATA_P: J9.20 R39.2 U17.12 | length 330.4
  Top Layer w6: U17.12@5537,590 5564.5,590 5582.29,572.21 5617.47,572.21 5638.24,572.21 5662.03,596 5665.97,596 5682.65,579.31 5689.76,572.21 5745.5,572.21 5750.99,566.72 5828.07,566.72 J9.20@5835.13,573.78
CAN1_N: J5.3 J5.4 R16.1 U3.6 | length 470.5
  Top Layer w6: U3.6@2152,2129.49 2152,2163.94 2142.7,2173.24 2134.7,2181.23 2134.7,2188.32 2135.2,2188.81 2135.2,2219.24 2142.31,2226.35 2158.99,2243.03 2158.99,2246.97 2142.31,2263.65 2135.2,2270.76 2135.2,2302.95 2249.36,2417.11 2249.36,2486.07 J5.3@2256.42,2493.13 J5.4@2285.95,2493.13
CAN1_P: J5.1 J5.2 R16.2 U3.7 | length 470.5
  Top Layer w6: U3.7@2102,2129.49 2102,2163.94 2119.3,2181.23 2119.3,2194.7 2119.79,2195.19 2119.79,2219.24 2096,2243.03 2096,2246.97 2119.79,2270.76 2119.79,2309.33 2233.95,2423.49 2233.95,2486.07 J5.2@2226.89,2493.13 J5.1@2197.36,2493.13
CAN2_N: J5.11 J5.12 R18.1 U4.6 | length 434.2
  Top Layer w6: J5.12@2522.16,2493.13 J5.11@2492.64,2493.13 2485.58,2486.07 2485.58,2386.55 2512.2,2359.93 2512.2,2270.76 2535.99,2246.97 2535.99,2243.03 2512.2,2219.24 2512.2,2195.2 2512.7,2194.69 2512.7,2181.23 2530,2163.94 U4.6@2530,2129.49
CAN2_P: J5.9 J5.10 R18.2 U4.7 | length 434.2
  Top Layer w6: J5.9@2433.58,2493.13 J5.10@2463.11,2493.13 2470.17,2486.07 2470.17,2380.17 2496.79,2353.54 2496.79,2270.76 2473,2246.97 2473,2243.03 2496.79,2219.24 2496.79,2188.82 2497.3,2188.31 2497.3,2181.23 2489.3,2173.24 2480,2163.94 U4.7@2480,2129.49